# Altium PCB GEM_AFE_128.PcbDoc (part 1 of 18) (continued)
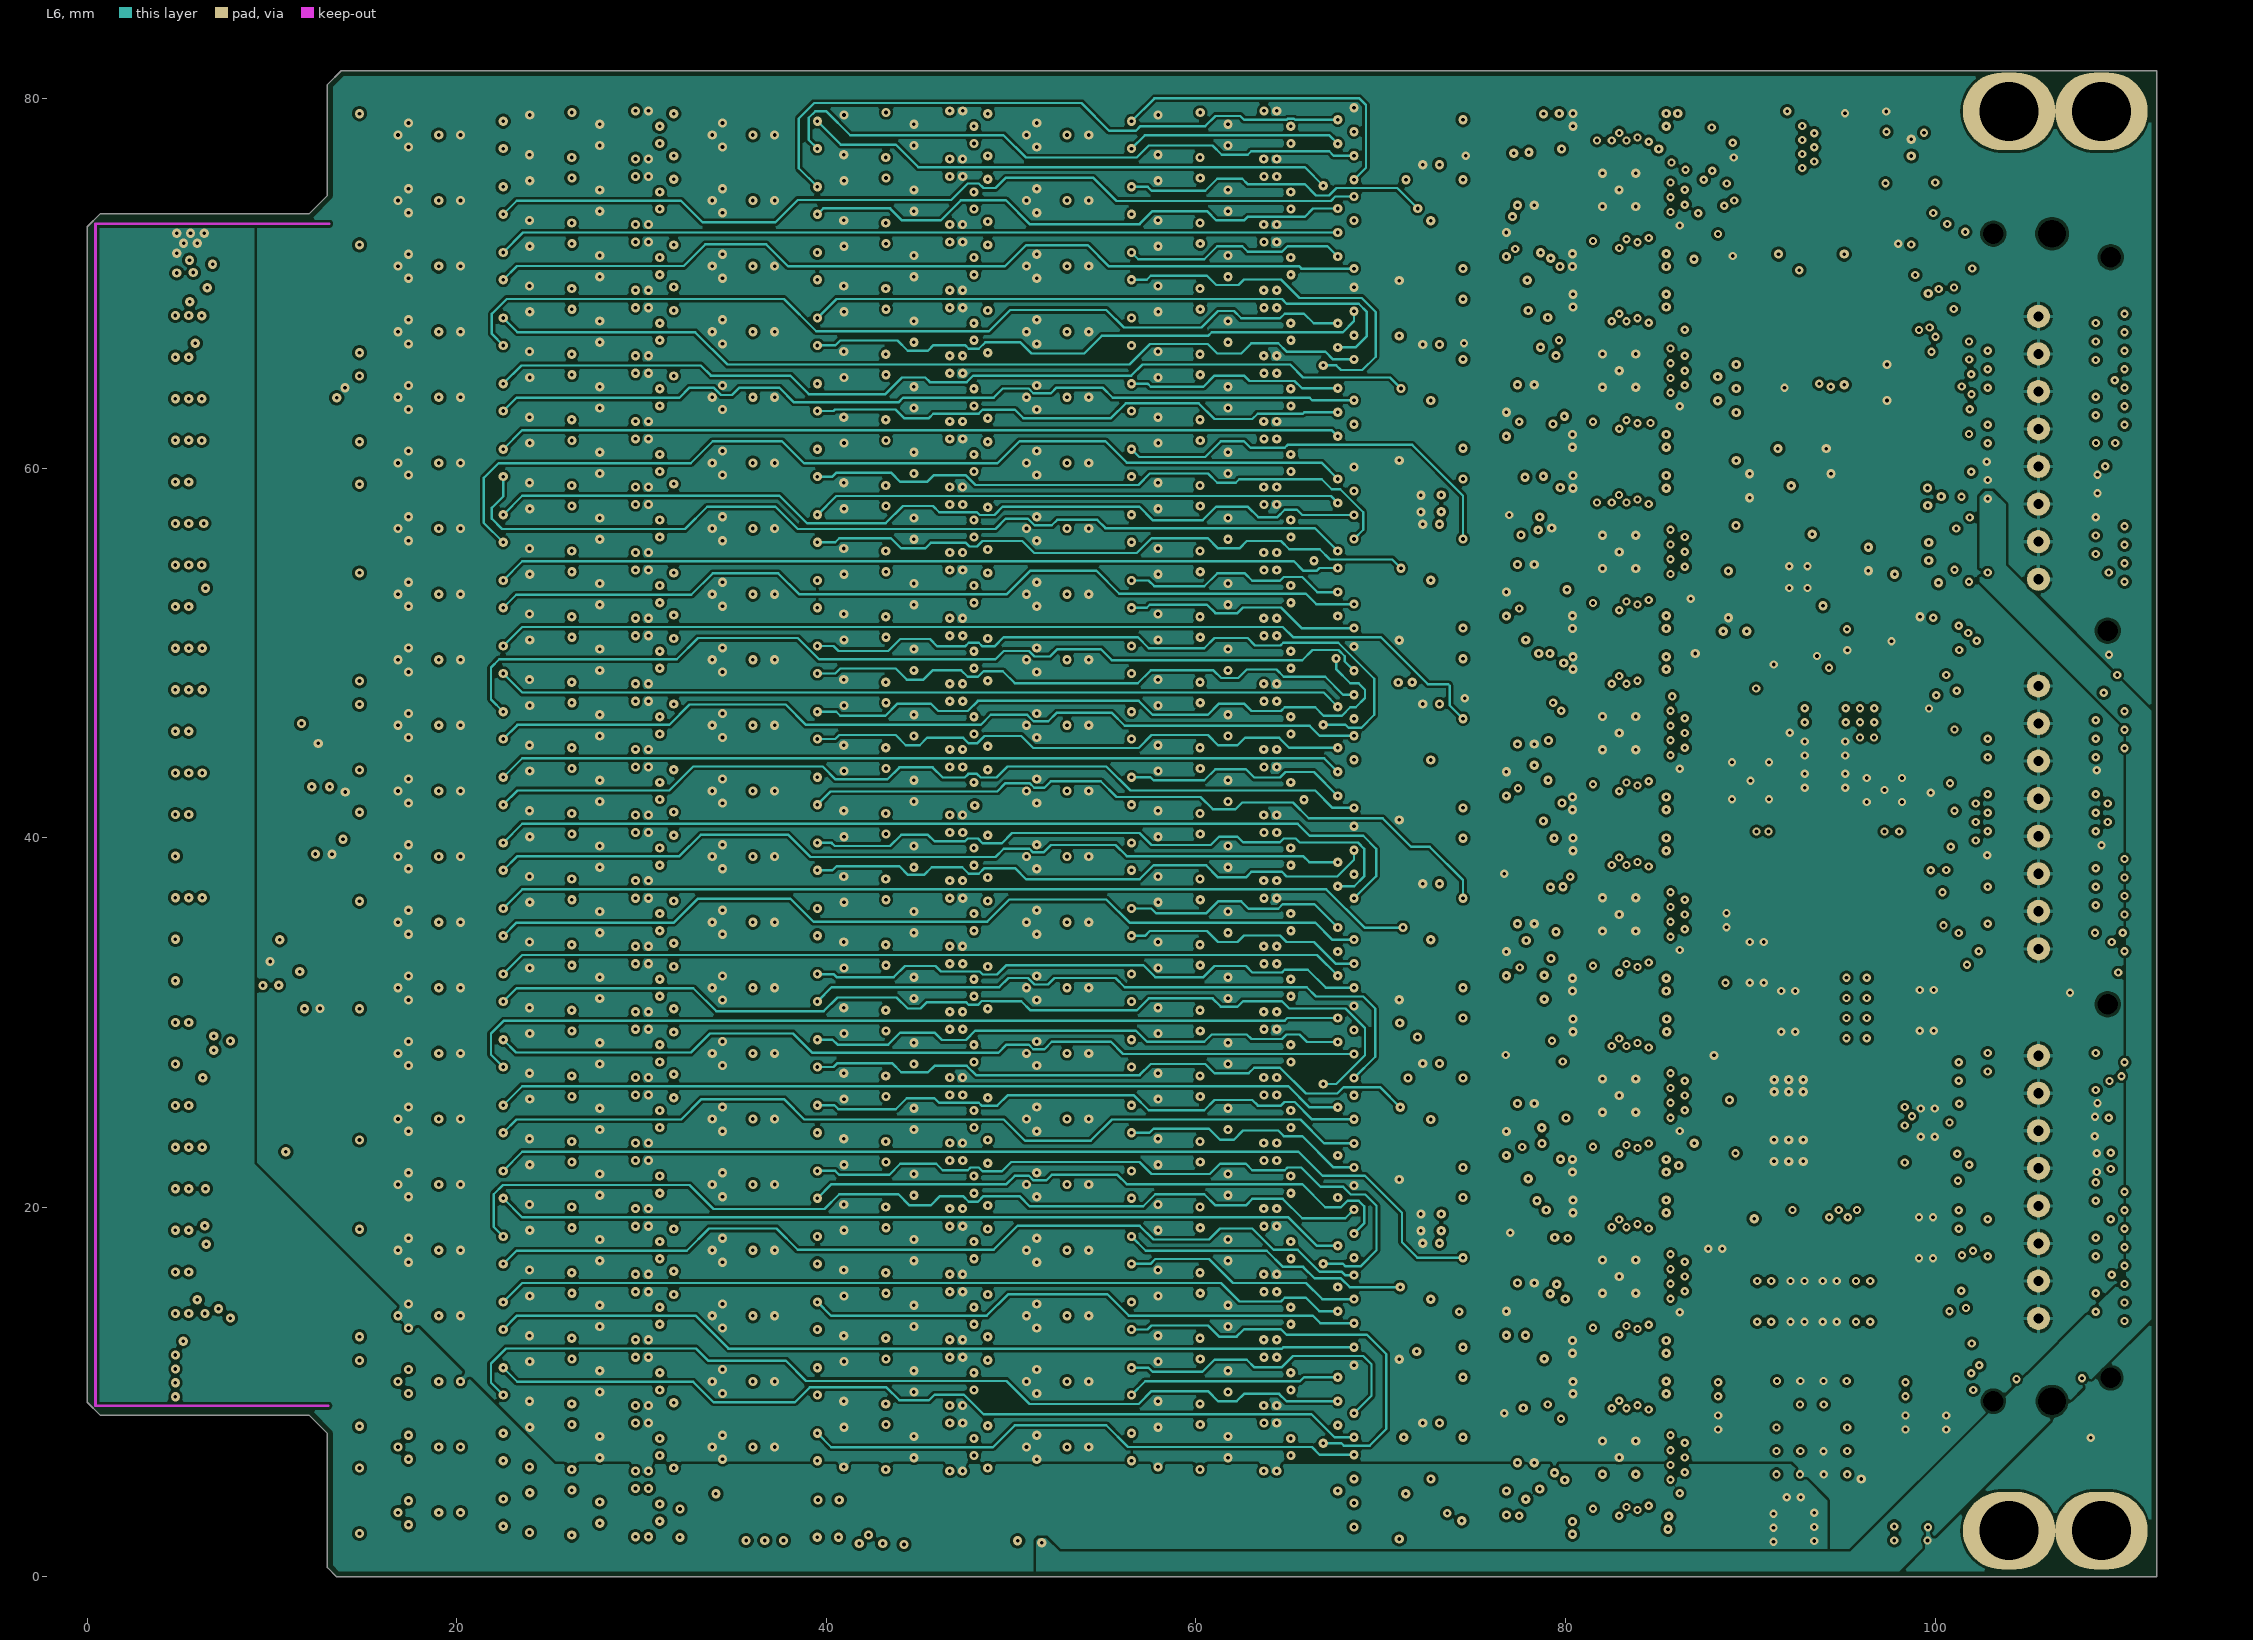
[diagram p7: L6]

## Layer stack, top to bottom
Top Solder: solder mask 0.0102, Solder Resist, Dk 3.5
Top Layer: signal copper 0.035
Dielectric1: prepreg 0.12, FR-4, Dk 4.7
L1: signal copper 0.035
Dielectric 1: core 0.2, FR-4, Dk 4.7
L2: signal copper 0.035
Dielectric3: prepreg 0.2, FR-4, Dk 4.7
L3: signal copper 0.035
Dielectric5: core 0.2, FR-4, Dk 4.7
L4: signal copper 0.035
Dielectric2: prepreg 0.2, FR-4, Dk 4.7
L5: signal copper 0.035
Dielectric 2: core 0.2, FR-4, Dk 4.7
L6: signal copper 0.035
Dielectric4: prepreg 0.12, FR-4, Dk 4.7
Bottom Layer: signal copper 0.035
Bottom Solder: solder mask 0.0102, Solder Resist, Dk 3.5

## Board outline
0.7,8.75 0,9.45 0,73.052 0.698,73.75 8,73.75 12,73.75 13,74.75 13,80.75 13.75,81.5 112,81.5 112,0 13.5,0 13,0.5 13,7.75 12,8.75

## Design rules (kind name [scope] priority, off if disabled: settings)
AcuteAngle [All] p1: minimum=4.00000000000000E+0001 checktracksonly=FALSE
BoardOutlineClearance BoardOutlineClearance_Track [IsTrack] p1: gap=0.5 ignorepadtopadclearanceinfootprint=FALSE
BoardOutlineClearance [All] p2: gap=0.3 ignorepadtopadclearanceinfootprint=FALSE
Clearance "Clearance_poly GND" [InPolygon AND (InNet('GND') OR InNet('GNDA'))] p1: gap=0.15 ignorepadtopadclearanceinfootprint=FALSE
Clearance Clearance_poly [InPolygon] p2: gap=0.15 ignorepadtopadclearanceinfootprint=FALSE
Clearance [All] p3: gap=0.102 ignorepadtopadclearanceinfootprint=FALSE
ComponentClearance [All] p1 off: gap=0.025 collisioncheckmode=3 verticalgap=0 showdistances=TRUE
DiffPairsRouting [All] p1: maxlimit=0.305 minlimit=0.14 mostfreqgap=0.254 toplayer_maxgap=0.16 toplayer_prefgap=0.152 toplayer_minwidth=0.381 toplayer_maxwidth=0.381 toplayer_prefwidth=0.381 midlayer1_mingap=0.25 midlayer1_maxgap=0.26 midlayer1_minwidth=0.381 midlayer1_maxwidth=0.381 midlayer1_prefwidth=0.381 midlayer2_mingap=0.25 midlayer2_maxgap=0.26 midlayer2_minwidth=0.381 midlayer2_maxwidth=0.381 midlayer2_prefwidth=0.381 midlayer3_mingap=0.254 midlayer3_maxgap=0.254 midlayer3_minwidth=0.381 midlayer3_maxwidth=0.381 midlayer3_prefwidth=0.381 midlayer4_mingap=0.254 midlayer4_maxgap=0.254 midlayer4_minwidth=0.381 midlayer4_maxwidth=0.381 midlayer4_prefwidth=0.381 midlayer5_mingap=0.254 midlayer5_maxgap=0.254 midlayer5_minwidth=0.381 midlayer5_maxwidth=0.381 midlayer5_prefwidth=0.381 midlayer6_mingap=0.203 midlayer6_minwidth=0.381 midlayer6_maxwidth=0.381 midlayer6_prefwidth=0.381 bottomlayer_maxgap=0.16 bottomlayer_prefgap=0.152 bottomlayer_minwidth=0.381 bottomlayer_maxwidth=0.381 bottomlayer_prefwidth=0.381 maxuncoupledlength=12.7
Height [All] p1 off: minheight=0 maxheight=25.4 prefheight=12.7
HoleSize [All] p1: absolutevalues=TRUE maxlimit=15 minlimit=0.19 maxpercent=80.000 minpercent=20.000
HoleToHoleClearance [All] p1: gap=0.1 allowstackedmicrovias=TRUE
MinimumSolderMaskSliver [All] p1: minsoldermaskwidth=0.051
PlaneClearance PlaneClearance_pad [IsPad] p1: clearance=0.3
PlaneClearance [All] p2: clearance=0.2
PlaneConnect [All] p1: planeconnectstyle=Direct reliefexpansion=0.508 reliefentries=4 reliefconductorwidth=0.254 reliefairgap=0.254
PolygonConnect PolygonConnect_pad [(InPadClass('All Pads'))] p1: connectstyle=Relief reliefconductorwidth=0.2 reliefentries=4 polygonreliefangle="90 Angle" airgapwidth=0.16
PolygonConnect [All] p2: connectstyle=Direct reliefconductorwidth=0.254 reliefentries=4 polygonreliefangle="90 Angle" airgapwidth=0.254
RoomDefinition U_FE_channel128 [InComponentClass('U_FE_channel128')] p1: confinementstyle=ConfineIn formatcopy=TRUE lockcomponents=FALSE outline 14.275,5.15 31.275,5.15 31.275,1.8 14.275,1.8
RoomDefinition U_FE_channel127 [InComponentClass('U_FE_channel127')] p2: confinementstyle=ConfineIn formatcopy=FALSE lockcomponents=FALSE outline 14.275,1.8 31.275,1.8 31.275,5.15 14.275,5.15
RoomDefinition U_FE_channel126 [InComponentClass('U_FE_channel126')] p3: confinementstyle=ConfineIn formatcopy=TRUE lockcomponents=FALSE outline 48.275,8.7 65.275,8.7 65.275,5.35 48.275,5.35
RoomDefinition U_FE_channel125 [InComponentClass('U_FE_channel125')] p4: confinementstyle=ConfineIn formatcopy=TRUE lockcomponents=FALSE outline 31.275,8.7 48.275,8.7 48.275,5.35 31.275,5.35
RoomDefinition U_FE_channel124 [InComponentClass('U_FE_channel124')] p5: confinementstyle=ConfineIn formatcopy=TRUE lockcomponents=FALSE outline 14.275,8.7 31.275,8.7 31.275,5.35 14.275,5.35
RoomDefinition U_FE_channel123 [InComponentClass('U_FE_channel123')] p6: confinementstyle=ConfineIn formatcopy=FALSE lockcomponents=FALSE outline 48.275,5.35 65.275,5.35 65.275,8.7 48.275,8.7
RoomDefinition U_FE_channel122 [InComponentClass('U_FE_channel122')] p7: confinementstyle=ConfineIn formatcopy=FALSE lockcomponents=FALSE outline 31.275,5.35 48.275,5.35 48.275,8.7 31.275,8.7
RoomDefinition U_FE_channel121 [InComponentClass('U_FE_channel121')] p8: confinementstyle=ConfineIn formatcopy=FALSE lockcomponents=FALSE outline 14.275,5.35 31.275,5.35 31.275,8.7 14.275,8.7
RoomDefinition U_FE_channel117 [InComponentClass('U_FE_channel117')] p9: confinementstyle=ConfineIn formatcopy=FALSE lockcomponents=FALSE outline 48.275,8.9 65.275,8.9 65.275,12.25 48.275,12.25
RoomDefinition U_FE_channel116 [InComponentClass('U_FE_channel116')] p10: confinementstyle=ConfineIn formatcopy=FALSE lockcomponents=FALSE outline 31.275,8.9 48.275,8.9 48.275,12.25 31.275,12.25
RoomDefinition U_FE_channel115 [InComponentClass('U_FE_channel115')] p11: confinementstyle=ConfineIn formatcopy=FALSE lockcomponents=FALSE outline 14.275,8.9 31.275,8.9 31.275,12.25 14.275,12.25
RoomDefinition U_FE_channel120 [InComponentClass('U_FE_channel120')] p12: confinementstyle=ConfineIn formatcopy=TRUE lockcomponents=FALSE outline 48.275,12.25 65.275,12.25 65.275,8.9 48.275,8.9
RoomDefinition U_FE_channel119 [InComponentClass('U_FE_channel119')] p13: confinementstyle=ConfineIn formatcopy=TRUE lockcomponents=FALSE outline 31.275,12.25 48.275,12.25 48.275,8.9 31.275,8.9
RoomDefinition U_FE_channel118 [InComponentClass('U_FE_channel118')] p14: confinementstyle=ConfineIn formatcopy=TRUE lockcomponents=FALSE outline 14.275,12.25 31.275,12.25 31.275,8.9 14.275,8.9
RoomDefinition U_FE_channel114 [InComponentClass('U_FE_channel114')] p15: confinementstyle=ConfineIn formatcopy=TRUE lockcomponents=FALSE outline 48.275,15.8 65.275,15.8 65.275,12.45 48.275,12.45
RoomDefinition U_FE_channel113 [InComponentClass('U_FE_channel113')] p16: confinementstyle=ConfineIn formatcopy=TRUE lockcomponents=FALSE outline 31.275,15.8 48.275,15.8 48.275,12.45 31.275,12.45
RoomDefinition U_FE_channel112 [InComponentClass('U_FE_channel112')] p17: confinementstyle=ConfineIn formatcopy=TRUE lockcomponents=FALSE outline 14.275,15.8 31.275,15.8 31.275,12.45 14.275,12.45
RoomDefinition U_FE_channel111 [InComponentClass('U_FE_channel111')] p18: confinementstyle=ConfineIn formatcopy=FALSE lockcomponents=FALSE outline 48.275,12.45 65.275,12.45 65.275,15.8 48.275,15.8
RoomDefinition U_FE_channel110 [InComponentClass('U_FE_channel110')] p19: confinementstyle=ConfineIn formatcopy=FALSE lockcomponents=FALSE outline 31.275,12.45 48.275,12.45 48.275,15.8 31.275,15.8
RoomDefinition U_FE_channel109 [InComponentClass('U_FE_channel109')] p20: confinementstyle=ConfineIn formatcopy=FALSE lockcomponents=FALSE outline 14.275,12.45 31.275,12.45 31.275,15.8 14.275,15.8
RoomDefinition U_FE_channel105 [InComponentClass('U_FE_channel105')] p21: confinementstyle=ConfineIn formatcopy=FALSE lockcomponents=FALSE outline 48.275,16 65.275,16 65.275,19.35 48.275,19.35
RoomDefinition U_FE_channel104 [InComponentClass('U_FE_channel104')] p22: confinementstyle=ConfineIn formatcopy=FALSE lockcomponents=FALSE outline 31.275,16 48.275,16 48.275,19.35 31.275,19.35
RoomDefinition U_FE_channel103 [InComponentClass('U_FE_channel103')] p23: confinementstyle=ConfineIn formatcopy=FALSE lockcomponents=FALSE outline 14.275,16 31.275,16 31.275,19.35 14.275,19.35
RoomDefinition U_FE_channel108 [InComponentClass('U_FE_channel108')] p24: confinementstyle=ConfineIn formatcopy=TRUE lockcomponents=FALSE outline 48.275,19.35 65.275,19.35 65.275,16 48.275,16
RoomDefinition U_FE_channel107 [InComponentClass('U_FE_channel107')] p25: confinementstyle=ConfineIn formatcopy=TRUE lockcomponents=FALSE outline 31.275,19.35 48.275,19.35 48.275,16 31.275,16
RoomDefinition U_FE_channel106 [InComponentClass('U_FE_channel106')] p26: confinementstyle=ConfineIn formatcopy=TRUE lockcomponents=FALSE outline 14.275,19.35 31.275,19.35 31.275,16 14.275,16
RoomDefinition U_FE_channel100 [InComponentClass('U_FE_channel100')] p27: confinementstyle=ConfineIn formatcopy=TRUE lockcomponents=FALSE outline 14.275,22.9 31.275,22.9 31.275,19.55 14.275,19.55
RoomDefinition U_FE_channel101 [InComponentClass('U_FE_channel101')] p28: confinementstyle=ConfineIn formatcopy=TRUE lockcomponents=FALSE outline 31.275,22.9 48.275,22.9 48.275,19.55 31.275,19.55
RoomDefinition U_FE_channel102 [InComponentClass('U_FE_channel102')] p29: confinementstyle=ConfineIn formatcopy=TRUE lockcomponents=FALSE outline 48.275,22.9 65.275,22.9 65.275,19.55 48.275,19.55
RoomDefinition U_FE_channel99 [InComponentClass('U_FE_channel99')] p30: confinementstyle=ConfineIn formatcopy=FALSE lockcomponents=FALSE outline 48.275,19.55 65.275,19.55 65.275,22.9 48.275,22.9
RoomDefinition U_FE_channel98 [InComponentClass('U_FE_channel98')] p31: confinementstyle=ConfineIn formatcopy=FALSE lockcomponents=FALSE outline 31.275,19.55 48.275,19.55 48.275,22.9 31.275,22.9
RoomDefinition U_FE_channel97 [InComponentClass('U_FE_channel97')] p32: confinementstyle=ConfineIn formatcopy=FALSE lockcomponents=FALSE outline 14.275,19.55 31.275,19.55 31.275,22.9 14.275,22.9
RoomDefinition U_FE_channel93 [InComponentClass('U_FE_channel93')] p33: confinementstyle=ConfineIn formatcopy=FALSE lockcomponents=FALSE outline 48.275,23.1 65.275,23.1 65.275,26.45 48.275,26.45
RoomDefinition U_FE_channel92 [InComponentClass('U_FE_channel92')] p34: confinementstyle=ConfineIn formatcopy=FALSE lockcomponents=FALSE outline 31.275,23.1 48.275,23.1 48.275,26.45 31.275,26.45
RoomDefinition U_FE_channel91 [InComponentClass('U_FE_channel91')] p35: confinementstyle=ConfineIn formatcopy=FALSE lockcomponents=FALSE outline 14.275,23.1 31.275,23.1 31.275,26.45 14.275,26.45
RoomDefinition U_FE_channel96 [InComponentClass('U_FE_channel96')] p36: confinementstyle=ConfineIn formatcopy=TRUE lockcomponents=FALSE outline 48.275,26.45 65.275,26.45 65.275,23.1 48.275,23.1
RoomDefinition U_FE_channel95 [InComponentClass('U_FE_channel95')] p37: confinementstyle=ConfineIn formatcopy=TRUE lockcomponents=FALSE outline 31.275,26.45 48.275,26.45 48.275,23.1 31.275,23.1
RoomDefinition U_FE_channel94 [InComponentClass('U_FE_channel94')] p38: confinementstyle=ConfineIn formatcopy=TRUE lockcomponents=FALSE outline 14.275,26.45 31.275,26.45 31.275,23.1 14.275,23.1
RoomDefinition U_FE_channel90 [InComponentClass('U_FE_channel90')] p39: confinementstyle=ConfineIn formatcopy=TRUE lockcomponents=FALSE outline 48.275,30 65.275,30 65.275,26.65 48.275,26.65
RoomDefinition U_FE_channel89 [InComponentClass('U_FE_channel89')] p40: confinementstyle=ConfineIn formatcopy=TRUE lockcomponents=FALSE outline 31.275,30 48.275,30 48.275,26.65 31.275,26.65
RoomDefinition U_FE_channel88 [InComponentClass('U_FE_channel88')] p41: confinementstyle=ConfineIn formatcopy=TRUE lockcomponents=FALSE outline 14.275,30 31.275,30 31.275,26.65 14.275,26.65
RoomDefinition U_FE_channel87 [InComponentClass('U_FE_channel87')] p42: confinementstyle=ConfineIn formatcopy=FALSE lockcomponents=FALSE outline 48.275,26.65 65.275,26.65 65.275,30 48.275,30
RoomDefinition U_FE_channel86 [InComponentClass('U_FE_channel86')] p43: confinementstyle=ConfineIn formatcopy=FALSE lockcomponents=FALSE outline 31.275,26.65 48.275,26.65 48.275,30 31.275,30
RoomDefinition U_FE_channel85 [InComponentClass('U_FE_channel85')] p44: confinementstyle=ConfineIn formatcopy=FALSE lockcomponents=FALSE outline 14.275,26.65 31.275,26.65 31.275,30 14.275,30
RoomDefinition U_FE_channel81 [InComponentClass('U_FE_channel81')] p45: confinementstyle=ConfineIn formatcopy=FALSE lockcomponents=FALSE outline 48.275,30.2 65.275,30.2 65.275,33.55 48.275,33.55
RoomDefinition U_FE_channel80 [InComponentClass('U_FE_channel80')] p46: confinementstyle=ConfineIn formatcopy=FALSE lockcomponents=FALSE outline 31.275,30.2 48.275,30.2 48.275,33.55 31.275,33.55
RoomDefinition U_FE_channel79 [InComponentClass('U_FE_channel79')] p47: confinementstyle=ConfineIn formatcopy=FALSE lockcomponents=FALSE outline 14.275,30.2 31.275,30.2 31.275,33.55 14.275,33.55
RoomDefinition U_FE_channel84 [InComponentClass('U_FE_channel84')] p48: confinementstyle=ConfineIn formatcopy=TRUE lockcomponents=FALSE outline 48.275,33.55 65.275,33.55 65.275,30.2 48.275,30.2
RoomDefinition U_FE_channel83 [InComponentClass('U_FE_channel83')] p49: confinementstyle=ConfineIn formatcopy=TRUE lockcomponents=FALSE outline 31.275,33.55 48.275,33.55 48.275,30.2 31.275,30.2
RoomDefinition U_FE_channel82 [InComponentClass('U_FE_channel82')] p50: confinementstyle=ConfineIn formatcopy=TRUE lockcomponents=FALSE outline 14.275,33.55 31.275,33.55 31.275,30.2 14.275,30.2
RoomDefinition U_FE_channel78 [InComponentClass('U_FE_channel78')] p51: confinementstyle=ConfineIn formatcopy=TRUE lockcomponents=FALSE outline 48.275,37.1 65.275,37.1 65.275,33.75 48.275,33.75
RoomDefinition U_FE_channel77 [InComponentClass('U_FE_channel77')] p52: confinementstyle=ConfineIn formatcopy=TRUE lockcomponents=FALSE outline 31.275,37.1 48.275,37.1 48.275,33.75 31.275,33.75
RoomDefinition U_FE_channel76 [InComponentClass('U_FE_channel76')] p53: confinementstyle=ConfineIn formatcopy=TRUE lockcomponents=FALSE outline 14.275,37.1 31.275,37.1 31.275,33.75 14.275,33.75
RoomDefinition U_FE_channel75 [InComponentClass('U_FE_channel75')] p54: confinementstyle=ConfineIn formatcopy=FALSE lockcomponents=FALSE outline 48.275,33.75 65.275,33.75 65.275,37.1 48.275,37.1
RoomDefinition U_FE_channel74 [InComponentClass('U_FE_channel74')] p55: confinementstyle=ConfineIn formatcopy=FALSE lockcomponents=FALSE outline 31.275,33.75 48.275,33.75 48.275,37.1 31.275,37.1
RoomDefinition U_FE_channel73 [InComponentClass('U_FE_channel73')] p56: confinementstyle=ConfineIn formatcopy=FALSE lockcomponents=FALSE outline 14.275,33.75 31.275,33.75 31.275,37.1 14.275,37.1
RoomDefinition U_FE_channel69 [InComponentClass('U_FE_channel69')] p57: confinementstyle=ConfineIn formatcopy=FALSE lockcomponents=FALSE outline 48.275,37.3 65.275,37.3 65.275,40.65 48.275,40.65
RoomDefinition U_FE_channel68 [InComponentClass('U_FE_channel68')] p58: confinementstyle=ConfineIn formatcopy=FALSE lockcomponents=FALSE outline 31.275,37.3 48.275,37.3 48.275,40.65 31.275,40.65
RoomDefinition U_FE_channel67 [InComponentClass('U_FE_channel67')] p59: confinementstyle=ConfineIn formatcopy=FALSE lockcomponents=FALSE outline 14.275,37.3 31.275,37.3 31.275,40.65 14.275,40.65
RoomDefinition U_FE_channel72 [InComponentClass('U_FE_channel72')] p60: confinementstyle=ConfineIn formatcopy=TRUE lockcomponents=FALSE outline 48.275,40.65 65.275,40.65 65.275,37.3 48.275,37.3
RoomDefinition U_FE_channel71 [InComponentClass('U_FE_channel71')] p61: confinementstyle=ConfineIn formatcopy=TRUE lockcomponents=FALSE outline 31.275,40.65 48.275,40.65 48.275,37.3 31.275,37.3
RoomDefinition U_FE_channel70 [InComponentClass('U_FE_channel70')] p62: confinementstyle=ConfineIn formatcopy=TRUE lockcomponents=FALSE outline 14.275,40.65 31.275,40.65 31.275,37.3 14.275,37.3
RoomDefinition U_FE_channel66 [InComponentClass('U_FE_channel66')] p63: confinementstyle=ConfineIn formatcopy=TRUE lockcomponents=FALSE outline 48.275,44.2 65.275,44.2 65.275,40.85 48.275,40.85
RoomDefinition U_FE_channel65 [InComponentClass('U_FE_channel65')] p64: confinementstyle=ConfineIn formatcopy=TRUE lockcomponents=FALSE outline 31.275,44.2 48.275,44.2 48.275,40.85 31.275,40.85
RoomDefinition U_FE_channel64 [InComponentClass('U_FE_channel64')] p65: confinementstyle=ConfineIn formatcopy=TRUE lockcomponents=FALSE outline 14.275,44.2 31.275,44.2 31.275,40.85 14.275,40.85
RoomDefinition U_FE_channel63 [InComponentClass('U_FE_channel63')] p66: confinementstyle=ConfineIn formatcopy=FALSE lockcomponents=FALSE outline 48.275,40.85 65.275,40.85 65.275,44.2 48.275,44.2
RoomDefinition U_FE_channel62 [InComponentClass('U_FE_channel62')] p67: confinementstyle=ConfineIn formatcopy=FALSE lockcomponents=FALSE outline 31.275,40.85 48.275,40.85 48.275,44.2 31.275,44.2
RoomDefinition U_FE_channel61 [InComponentClass('U_FE_channel61')] p68: confinementstyle=ConfineIn formatcopy=FALSE lockcomponents=FALSE outline 14.275,40.85 31.275,40.85 31.275,44.2 14.275,44.2
RoomDefinition U_FE_channel57 [InComponentClass('U_FE_channel57')] p69: confinementstyle=ConfineIn formatcopy=FALSE lockcomponents=FALSE outline 48.275,44.4 65.275,44.4 65.275,47.75 48.275,47.75
RoomDefinition U_FE_channel56 [InComponentClass('U_FE_channel56')] p70: confinementstyle=ConfineIn formatcopy=FALSE lockcomponents=FALSE outline 31.275,44.4 48.275,44.4 48.275,47.75 31.275,47.75
RoomDefinition U_FE_channel55 [InComponentClass('U_FE_channel55')] p71: confinementstyle=ConfineIn formatcopy=FALSE lockcomponents=FALSE outline 14.275,44.4 31.275,44.4 31.275,47.75 14.275,47.75
RoomDefinition U_FE_channel60 [InComponentClass('U_FE_channel60')] p72: confinementstyle=ConfineIn formatcopy=TRUE lockcomponents=FALSE outline 48.275,47.75 65.275,47.75 65.275,44.4 48.275,44.4
RoomDefinition U_FE_channel59 [InComponentClass('U_FE_channel59')] p73: confinementstyle=ConfineIn formatcopy=TRUE lockcomponents=FALSE outline 31.275,47.75 48.275,47.75 48.275,44.4 31.275,44.4
RoomDefinition U_FE_channel58 [InComponentClass('U_FE_channel58')] p74: confinementstyle=ConfineIn formatcopy=TRUE lockcomponents=FALSE outline 14.275,47.75 31.275,47.75 31.275,44.4 14.275,44.4
RoomDefinition U_FE_channel54 [InComponentClass('U_FE_channel54')] p75: confinementstyle=ConfineIn formatcopy=TRUE lockcomponents=FALSE outline 48.275,51.3 65.275,51.3 65.275,47.95 48.275,47.95
RoomDefinition U_FE_channel53 [InComponentClass('U_FE_channel53')] p76: confinementstyle=ConfineIn formatcopy=TRUE lockcomponents=FALSE outline 31.275,51.3 48.275,51.3 48.275,47.95 31.275,47.95
RoomDefinition U_FE_channel52 [InComponentClass('U_FE_channel52')] p77: confinementstyle=ConfineIn formatcopy=TRUE lockcomponents=FALSE outline 14.275,51.3 31.275,51.3 31.275,47.95 14.275,47.95
RoomDefinition U_FE_channel51 [InComponentClass('U_FE_channel51')] p78: confinementstyle=ConfineIn formatcopy=FALSE lockcomponents=FALSE outline 48.275,47.95 65.275,47.95 65.275,51.3 48.275,51.3
RoomDefinition U_FE_channel50 [InComponentClass('U_FE_channel50')] p79: confinementstyle=ConfineIn formatcopy=FALSE lockcomponents=FALSE outline 31.275,47.95 48.275,47.95 48.275,51.3 31.275,51.3
RoomDefinition U_FE_channel49 [InComponentClass('U_FE_channel49')] p80: confinementstyle=ConfineIn formatcopy=FALSE lockcomponents=FALSE outline 14.275,47.95 31.275,47.95 31.275,51.3 14.275,51.3
RoomDefinition U_FE_channel45 [InComponentClass('U_FE_channel45')] p81: confinementstyle=ConfineIn formatcopy=FALSE lockcomponents=FALSE outline 48.275,51.5 65.275,51.5 65.275,54.85 48.275,54.85
RoomDefinition U_FE_channel44 [InComponentClass('U_FE_channel44')] p82: confinementstyle=ConfineIn formatcopy=FALSE lockcomponents=FALSE outline 31.275,51.5 48.275,51.5 48.275,54.85 31.275,54.85
RoomDefinition U_FE_channel43 [InComponentClass('U_FE_channel43')] p83: confinementstyle=ConfineIn formatcopy=FALSE lockcomponents=FALSE outline 14.275,51.5 31.275,51.5 31.275,54.85 14.275,54.85
RoomDefinition U_FE_channel48 [InComponentClass('U_FE_channel48')] p84: confinementstyle=ConfineIn formatcopy=TRUE lockcomponents=FALSE outline 48.275,54.85 65.275,54.85 65.275,51.5 48.275,51.5
RoomDefinition U_FE_channel47 [InComponentClass('U_FE_channel47')] p85: confinementstyle=ConfineIn formatcopy=TRUE lockcomponents=FALSE outline 31.275,54.85 48.275,54.85 48.275,51.5 31.275,51.5
RoomDefinition U_FE_channel46 [InComponentClass('U_FE_channel46')] p86: confinementstyle=ConfineIn formatcopy=TRUE lockcomponents=FALSE outline 14.275,54.85 31.275,54.85 31.275,51.5 14.275,51.5
RoomDefinition U_FE_channel42 [InComponentClass('U_FE_channel42')] p87: confinementstyle=ConfineIn formatcopy=TRUE lockcomponents=FALSE outline 48.275,58.4 65.275,58.4 65.275,55.05 48.275,55.05
RoomDefinition U_FE_channel41 [InComponentClass('U_FE_channel41')] p88: confinementstyle=ConfineIn formatcopy=TRUE lockcomponents=FALSE outline 31.275,58.4 48.275,58.4 48.275,55.05 31.275,55.05